# Altium PCB CFD_V1.03.PcbDoc (part 6 of 10) (continued)
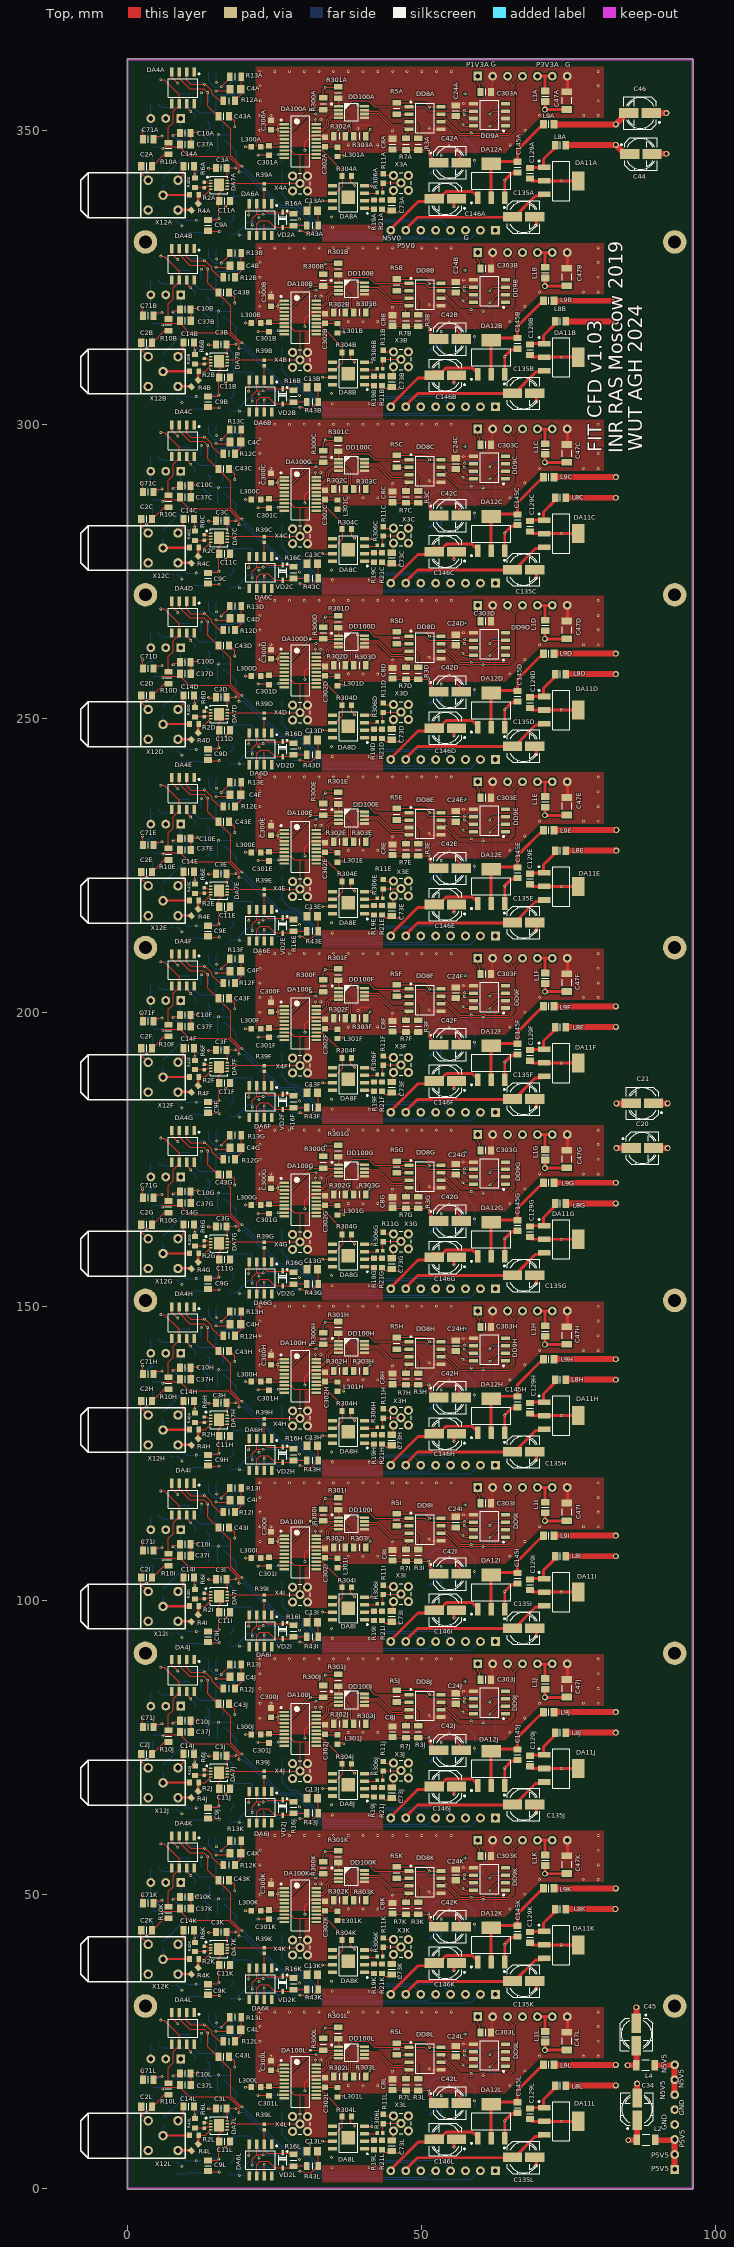
[diagram p0: Top view]
## Nets (pads, with @x,y where several pads share a name; then routed paths per layer and width w, separated by ;. In a path a pad name is that pad's centre, name@x,y a point inside that pad or via, vN(x,y) a via of type N, cw(c..) or ccw(c..) an arc to the next point about the centre after c; other vN are vias at no path point) (continued)
  Top w1: C45.1@86.5,28.429 v2(86.5,30.8) ; C34.2@86.6,15.5 v2(86.6,17.8) ; C44.2@89.3,346 v2(91.6,346) ; C46.1@89.3,352.9 v2(91.6,352.9) ; C20.2@89.6,176.9 v2(91.8,176.9) ; C21.1@89.6,184.5 v2(91.8,184.5)
  Bot w0.2: C41L.1@9.8,4.8 9.85,4.85 10,4.7 v1(11.63,4.7) 12.35,4.7 DA1L.4@12.5,4.85 ; C41K.1@9.8,34.8 9.85,34.85 10,34.7 v1(11.63,34.7) 12.35,34.7 DA1K.4@12.5,34.85 ; C41J.1@9.8,64.8 9.85,64.85 10,64.7 v1(11.63,64.7) 12.35,64.7 DA1J.4@12.5,64.85 ; C41I.1@9.8,94.8 9.85,94.85 10,94.7 v1(11.63,94.7) 12.35,94.7 DA1I.4@12.5,94.85 ; C41H.1@9.8,124.8 9.85,124.85 10,124.7 v1(11.63,124.7) 12.35,124.7 DA1H.4@12.5,124.85 ; C41G.1@9.8,154.8 9.85,154.85 10,154.7 v1(11.63,154.7) 12.35,154.7 DA1G.4@12.5,154.85 ; C41F.1@9.8,184.8 9.85,184.85 10,184.7 v1(11.63,184.7) 12.35,184.7 DA1F.4@12.5,184.85 ; C41E.1@9.8,214.8 9.85,214.85 10,214.7 v1(11.63,214.7) 12.35,214.7 DA1E.4@12.5,214.85 ; C41D.1@9.8,244.8 9.85,244.85 10,244.7 v1(11.63,244.7) 12.35,244.7 DA1D.4@12.5,244.85 ; C41C.1@9.8,274.8 9.85,274.85 10,274.7 v1(11.63,274.7) 12.35,274.7 DA1C.4@12.5,274.85 ; C41B.1@9.8,304.8 9.85,304.85 10,304.7 v1(11.63,304.7) 12.35,304.7 DA1B.4@12.5,304.85 ; C41A.1@9.8,334.8 9.85,334.85 10,334.7 v1(11.63,334.7) 12.35,334.7 DA1A.4@12.5,334.85 ; DA3L.2@13.95,19.25 v1(15.4,19.25) ; DA3K.2@13.95,49.25 v1(15.4,49.25) ; DA3J.2@13.95,79.25 v1(15.4,79.25) ; DA3I.2@13.95,109.25 v1(15.4,109.25) ; DA3H.2@13.95,139.25 v1(15.4,139.25) ; DA3G.2@13.95,169.25 v1(15.4,169.25) ; DA3F.2@13.95,199.25 v1(15.4,199.25) ; DA3E.2@13.95,229.25 v1(15.4,229.25) ; DA3D.2@13.95,259.25 v1(15.4,259.25) ; DA3C.2@13.95,289.25 v1(15.4,289.25) ; DA3B.2@13.95,319.25 v1(15.4,319.25) ; DA3A.2@13.95,349.25 v1(15.4,349.25) ; DA1L.1@14.4,2.6 14.6,2.8 v1(15.55,2.8) ; DA1K.1@14.4,32.6 14.6,32.8 v1(15.55,32.8) ; DA1J.1@14.4,62.6 14.6,62.8 v1(15.55,62.8) ; DA1I.1@14.4,92.6 14.6,92.8 v1(15.55,92.8) ; DA1H.1@14.4,122.6 14.6,122.8 v1(15.55,122.8) ; DA1G.1@14.4,152.6 14.6,152.8 v1(15.55,152.8) ; DA1F.1@14.4,182.6 14.6,182.8 v1(15.55,182.8) ; DA1E.1@14.4,212.6 14.6,212.8 v1(15.55,212.8) ; DA1D.1@14.4,242.6 14.6,242.8 v1(15.55,242.8) ; DA1C.1@14.4,272.6 14.6,272.8 v1(15.55,272.8) ; DA1B.1@14.4,302.6 14.6,302.8 v1(15.55,302.8) ; DA1A.1@14.4,332.6 14.6,332.8 v1(15.55,332.8) ; C1L.1@15.48,16.5 15.325,16.655 15.325,19.175 v1(15.4,19.25) ; C1K.1@15.48,46.5 15.325,46.655 15.325,49.175 v1(15.4,49.25) ; C1J.1@15.48,76.5 15.325,76.655 15.325,79.175 v1(15.4,79.25) ; C1I.1@15.48,106.5 15.325,106.655 15.325,109.175 v1(15.4,109.25) ; C1H.1@15.48,136.5 15.325,136.655 15.325,139.175 v1(15.4,139.25) ; C1G.1@15.48,166.5 15.325,166.655 15.325,169.175 v1(15.4,169.25) ; C1F.1@15.48,196.5 15.325,196.655 15.325,199.175 v1(15.4,199.25) ; C1E.1@15.48,226.5 15.325,226.655 15.325,229.175 v1(15.4,229.25) ; C1D.1@15.48,256.5 15.325,256.655 15.325,259.175 v1(15.4,259.25) ; C1C.1@15.48,286.5 15.325,286.655 15.325,289.175 v1(15.4,289.25) ; C1B.1@15.48,316.5 15.325,316.655 15.325,319.175 v1(15.4,319.25) ; C1A.1@15.48,346.5 15.325,346.655 15.325,349.175 v1(15.4,349.25) ; C7L.1@17.73,19.15 17.63,19.25 v1(15.4,19.25) ; C7K.1@17.73,49.15 17.63,49.25 v1(15.4,49.25) ; C7J.1@17.73,79.15 17.63,79.25 v1(15.4,79.25) ; C7I.1@17.73,109.15 17.63,109.25 v1(15.4,109.25) ; C7H.1@17.73,139.15 17.63,139.25 v1(15.4,139.25) ; C7G.1@17.73,169.15 17.63,169.25 v1(15.4,169.25) ; C7F.1@17.73,199.15 17.63,199.25 v1(15.4,199.25) ; C7E.1@17.73,229.15 17.63,229.25 v1(15.4,229.25) ; C7D.1@17.73,259.15 17.63,259.25 v1(15.4,259.25) ; C7C.1@17.73,289.15 17.63,289.25 v1(15.4,289.25) ; C7B.1@17.73,319.15 17.63,319.25 v1(15.4,319.25) ; C7A.1@17.73,349.15 17.63,349.25 v1(15.4,349.25) ; v1(18.2,20.6) C6L.1@18.2,22.2 ; v1(18.2,50.6) C6K.1@18.2,52.2 ; v1(18.2,80.6) C6J.1@18.2,82.2 ; v1(18.2,110.6) C6I.1@18.2,112.2 ; v1(18.2,140.6) C6H.1@18.2,142.2 ; v1(18.2,170.6) C6G.1@18.2,172.2 ; v1(18.2,200.6) C6F.1@18.2,202.2 ; v1(18.2,230.6) C6E.1@18.2,232.2 ; v1(18.2,260.6) C6D.1@18.2,262.2 ; v1(18.2,290.6) C6C.1@18.2,292.2 ; v1(18.2,320.6) C6B.1@18.2,322.2 ; v1(18.2,350.6) C6A.1@18.2,352.2 ; v1(22.13,15.8) 22.18,15.85 23.13,15.85 C403L.1@23.18,15.9 ; v1(22.13,45.8) 22.18,45.85 23.13,45.85 C403K.1@23.18,45.9 ; v1(22.13,75.8) 22.18,75.85 23.13,75.85 C403J.1@23.18,75.9 ; v1(22.13,105.8) 22.18,105.85 23.13,105.85 C403I.1@23.18,105.9 ; v1(22.13,135.8) 22.18,135.85 23.13,135.85 C403H.1@23.18,135.9 ; v1(22.13,165.8) 22.18,165.85 23.13,165.85 C403G.1@23.18,165.9 ; v1(22.13,195.8) 22.18,195.85 23.13,195.85 C403F.1@23.18,195.9 ; v1(22.13,225.8) 22.18,225.85 23.13,225.85 C403E.1@23.18,225.9 ; v1(22.13,255.8) 22.18,255.85 23.13,255.85 C403D.1@23.18,255.9 ; v1(22.13,285.8) 22.18,285.85 23.13,285.85 C403C.1@23.18,285.9 ; v1(22.13,315.8) 22.18,315.85 23.13,315.85 C403B.1@23.18,315.9 ; v1(22.13,345.8) 22.18,345.85 23.13,345.85 C403A.1@23.18,345.9 ; C12L.1@28.03,5.7 28.03,5.97 28.153,5.846 29.1,4.9 v1(29.2,4.9) ; C12K.1@28.03,35.7 28.03,35.97 28.153,35.846 29.1,34.9 v1(29.2,34.9) ; C12J.1@28.03,65.7 28.03,65.97 29.1,64.9 v1(29.2,64.9) ; C12I.1@28.03,95.7 28.03,95.97 28.153,95.846 29.1,94.9 v1(29.2,94.9) ; C12H.1@28.03,125.7 28.03,125.97 28.153,125.846 29.1,124.9 v1(29.2,124.9) ; C12G.1@28.03,155.7 28.03,155.97 28.153,155.846 29.1,154.9 v1(29.2,154.9) ; C12F.1@28.03,185.7 28.03,185.97 28.153,185.846 29.1,184.9 v1(29.2,184.9) ; C12E.1@28.03,215.7 28.03,215.97 28.153,215.846 29.1,214.9 v1(29.2,214.9) ; C12D.1@28.03,245.7 28.03,245.97 28.153,245.846 29.1,244.9 v1(29.2,244.9) ; C12C.1@28.03,275.7 28.03,275.97 28.153,275.846 29.1,274.9 v1(29.2,274.9) ; C12B.1@28.03,305.7 28.03,305.97 29.1,304.9 v1(29.2,304.9) ; C12A.1@28.03,335.7 28.03,335.97 28.153,335.847 29.1,334.9 v1(29.2,334.9) ; v1(28.62,261.736) C402D.1@29.37,261.736 ; v1(28.63,21.8) C402L.1@29.38,21.8 ; v1(28.63,51.8) C402K.1@29.38,51.8 ; v1(28.63,81.8) C402J.1@29.38,81.8 ; v1(28.63,111.8) C402I.1@29.38,111.8 ; v1(28.63,141.8) C402H.1@29.38,141.8 ; v1(28.63,171.8) C402G.1@29.38,171.8 ; v1(28.63,201.8) C402F.1@29.38,201.8 ; v1(28.63,231.8) C402E.1@29.38,231.8 ; v1@28.63,261.8 C402D.1@29.38,261.8 ; v1(28.63,291.8) C402C.1@29.38,291.8 ; v1(28.63,321.8) C402B.1@29.38,321.8 ; v1(28.63,351.8) C402A.1@29.38,351.8 ; v1(32.82,261.736) C401D.1@33.92,261.736 ; v1(32.83,21.8) C401L.1@33.93,21.8 ; v1(32.83,51.8) C401K.1@33.93,51.8 ; v1(32.83,81.8) C401J.1@33.93,81.8 ; v1(32.83,111.8) C401I.1@33.93,111.8 ; v1(32.83,141.8) C401H.1@33.93,141.8 ; v1(32.83,171.8) C401G.1@33.93,171.8 ; v1(32.83,201.8) C401F.1@33.93,201.8 ; v1(32.83,231.8) C401E.1@33.93,231.8 ; v1(32.83,291.8) C401C.1@33.93,291.8 ; v1(32.83,321.8) C401B.1@33.93,321.8 ; v1(32.83,351.8) C401A.1@33.93,351.8 ; C400D.1@38.932,261.548 38.62,261.236 38.75,261.236 39.12,260.866 v1(39.12,260.236) ; C400L.1@38.942,21.612 38.63,21.3 38.76,21.3 39.13,20.93 v1(39.13,20.3) ; C400K.1@38.942,51.612 38.63,51.3 38.76,51.3 39.13,50.93 v1(39.13,50.3) ; C400J.1@38.942,81.612 38.63,81.3 38.76,81.3 39.13,80.93 v1(39.13,80.3) ; C400I.1@38.942,111.612 38.63,111.3 38.76,111.3 39.13,110.93 v1(39.13,110.3) ; C400H.1@38.942,141.612 38.63,141.3 38.76,141.3 39.13,140.93 v1(39.13,140.3) ; C400G.1@38.942,171.612 38.63,171.3 38.76,171.3 39.13,170.93 v1(39.13,170.3) ; C400F.1@38.942,201.612 38.63,201.3 38.76,201.3 39.13,200.93 v1(39.13,200.3) ; C400E.1@38.942,231.612 38.63,231.3 38.76,231.3 39.13,230.93 v1(39.13,230.3) ; C400C.1@38.942,291.612 38.63,291.3 38.76,291.3 39.13,290.93 v1(39.13,290.3) ; C400B.1@38.942,321.612 38.63,321.3 38.76,321.3 39.13,320.93 v1(39.13,320.3) ; C400A.1@38.942,351.612 38.63,351.3 38.76,351.3 39.13,350.93 v1(39.13,350.3) ; C26L.1@49.715,21.286 50.315,21.286 v1(51.215,20.386) ; C26K.1@49.715,51.286 50.315,51.286 v1(51.215,50.386) ; C26J.1@49.715,81.286 50.315,81.286 v1(51.215,80.386) ; C26I.1@49.715,111.286 50.315,111.286 v1(51.215,110.386) ; C26H.1@49.715,141.286 50.315,141.286 v1(51.215,140.386) ; C26G.1@49.715,171.286 50.315,171.286 v1(51.215,170.386) ; C26F.1@49.715,201.286 50.315,201.286 v1(51.215,200.386) ; C26E.1@49.715,231.286 50.315,231.286 v1(51.215,230.386) ; C26D.1@49.715,261.286 50.315,261.286 v1(51.215,260.386) ; C26C.1@49.715,291.286 50.315,291.286 v1(51.215,290.386) ; C26B.1@49.715,321.286 50.315,321.286 v1(51.215,320.386) ; C26A.1@49.715,351.286 50.315,351.286 v1(51.215,350.386)
  Bot w0.25: DA13L.3@54.574,13.8 DA13L.2@55.844,13.8 ; DA13K.3@54.574,43.8 DA13K.2@55.844,43.8 ; DA13J.3@54.574,73.8 DA13J.2@55.844,73.8 ; DA13I.3@54.574,103.8 DA13I.2@55.844,103.8 ; DA13H.3@54.574,133.8 DA13H.2@55.844,133.8 ; DA13G.3@54.574,163.8 DA13G.2@55.844,163.8 ; DA13F.3@54.574,193.8 DA13F.2@55.844,193.8 ; DA13E.3@54.574,223.8 DA13E.2@55.844,223.8 ; DA13D.3@54.574,253.8 DA13D.2@55.844,253.8 ; DA13C.3@54.574,283.8 DA13C.2@55.844,283.8 ; DA13B.3@54.574,313.8 DA13B.2@55.844,313.8 ; DA13A.3@54.574,343.8 DA13A.2@55.844,343.8 ; v1(54.6,17.3) 54.6,18.774 54.574,18.8 DA13L.7@55.844,18.8 ; v1(54.6,47.3) 54.6,48.774 54.574,48.8 DA13K.7@55.844,48.8 ; v1(54.6,77.3) 54.6,78.774 54.574,78.8 DA13J.7@55.844,78.8 ; v1(54.6,107.3) 54.6,108.774 54.574,108.8 DA13I.7@55.844,108.8 ; v1(54.6,137.3) 54.6,138.774 54.574,138.8 DA13H.7@55.844,138.8 ; v1(54.6,167.3) 54.6,168.774 54.574,168.8 DA13G.7@55.844,168.8 ; v1(54.6,197.3) 54.6,198.774 54.574,198.8 DA13F.7@55.844,198.8 ; v1(54.6,227.3) 54.6,228.774 54.574,228.8 DA13E.7@55.844,228.8 ; v1(54.6,257.3) 54.6,258.774 54.574,258.8 DA13D.7@55.844,258.8 ; v1(54.6,287.3) 54.6,288.774 54.574,288.8 DA13C.7@55.844,288.8 ; v1(54.6,317.3) 54.6,318.774 54.574,318.8 DA13B.7@55.844,318.8 ; v1(54.6,347.3) 54.6,348.774 54.574,348.8 DA13A.7@55.844,348.8 ; C29L.1@55.304,11.6 55.844,12.14 DA13L.2@55.844,13.8 ; C29K.1@55.304,41.6 55.844,42.14 DA13K.2@55.844,43.8 ; C29J.1@55.304,71.6 55.844,72.14 DA13J.2@55.844,73.8 ; C29I.1@55.304,101.6 55.844,102.14 DA13I.2@55.844,103.8 ; C29H.1@55.304,131.6 55.844,132.14 DA13H.2@55.844,133.8 ; C29G.1@55.304,161.6 55.844,162.14 DA13G.2@55.844,163.8 ; C29F.1@55.304,191.6 55.844,192.14 DA13F.2@55.844,193.8 ; C29E.1@55.304,221.6 55.844,222.14 DA13E.2@55.844,223.8 ; C29D.1@55.304,251.6 55.844,252.14 DA13D.2@55.844,253.8 ; C29C.1@55.304,281.6 55.844,282.14 DA13C.2@55.844,283.8 ; C29B.1@55.304,311.6 55.844,312.14 DA13B.2@55.844,313.8 ; C29A.1@55.304,341.6 55.844,342.14 DA13A.2@55.844,343.8 ; v1(55.8,16.55) 55.8,13.844 DA13L.2@55.844,13.8 ; v1(55.8,46.55) 55.8,43.844 DA13K.2@55.844,43.8 ; v1(55.8,76.55) 55.8,73.844 DA13J.2@55.844,73.8 ; v1(55.8,106.55) 55.8,103.844 DA13I.2@55.844,103.8 ; v1(55.8,136.55) 55.8,133.844 DA13H.2@55.844,133.8 ; v1(55.8,166.55) 55.8,163.844 DA13G.2@55.844,163.8 ; v1(55.8,196.55) 55.8,193.844 DA13F.2@55.844,193.8 ; v1(55.8,226.55) 55.8,223.844 DA13E.2@55.844,223.8 ; v1(55.8,256.55) 55.8,253.844 DA13D.2@55.844,253.8 ; v1(55.8,286.55) 55.8,283.844 DA13C.2@55.844,283.8 ; v1(55.8,316.55) 55.8,313.844 DA13B.2@55.844,313.8 ; v1(55.8,346.55) 55.8,343.844 DA13A.2@55.844,343.8
  other v1: 34.78,3.5 41.07,3.5 34.63,5.22 37.5,17.5 40,17.5 42.5,17.5 65,17.5 22.5,20 67.5,20 22.5,22.5 70,22.5 77.5,22.5 80,22.5 22.5,25 80,25 22.5,27.5 80,27.5 22.5,30 25,30 27.5,30 30,30 32.5,30 35,30 37.5,30 40,30 42.5,30 45,30 47.5,30 50,30 52.5,30 55,30 80,30 34.78,33.5 41.07,33.5 34.63,35.22 37.5,47.5 40,47.5 42.5,47.5 65,47.5 22.5,50 67.5,50 22.5,52.5 70,52.5 77.5,52.5 80,52.5 22.5,55 80,55 22.5,57.5 80,57.5 22.5,60 25,60 27.5,60 30,60 32.5,60 35,60 37.5,60 40,60 42.5,60 45,60 47.5,60 50,60 52.5,60 55,60 80,60 34.78,63.5 41.07,63.5 34.63,65.22 37.5,77.5 40,77.5 42.5,77.5 65,77.5 22.5,80 67.5,80 22.5,82.5 70,82.5 77.5,82.5 80,82.5 22.5,85 80,85 22.5,87.5 80,87.5 22.5,90 25,90 27.5,90 30,90 32.5,90 35,90 37.5,90 40,90 42.5,90 45,90 47.5,90 50,90 52.5,90 55,90 80,90 34.78,93.5 41.07,93.5 34.63,95.22 37.5,107.5 40,107.5 42.5,107.5 65,107.5 22.5,110 67.5,110 22.5,112.5 70,112.5 77.5,112.5 80,112.5 22.5,115 80,115 22.5,117.5 80,117.5 22.5,120 25,120 27.5,120 30,120 32.5,120 35,120 37.5,120 40,120 42.5,120 45,120 47.5,120 50,120 52.5,120 55,120 80,120 34.78,123.5 41.07,123.5 34.63,125.22 37.5,137.5 40,137.5 42.5,137.5 65,137.5 22.5,140 67.5,140 22.5,142.5 70,142.5 77.5,142.5 80,142.5 22.5,145 80,145 22.5,147.5 80,147.5 22.5,150 25,150 27.5,150 30,150 32.5,150 35,150 37.5,150 40,150 42.5,150 45,150 47.5,150 50,150 52.5,150 55,150 80,150 34.78,153.5 41.07,153.5 34.63,155.22 37.5,167.5 40,167.5 42.5,167.5 65,167.5 22.5,170 67.5,170 22.5,172.5 70,172.5 77.5,172.5 80,172.5 22.5,175 80,175 22.5,177.5 80,177.5 22.5,180 25,180 27.5,180 30,180 32.5,180 35,180 37.5,180 40,180 42.5,180 45,180 47.5,180 50,180 52.5,180 55,180 80,180 34.78,183.5 41.07,183.5 34.63,185.22 37.5,197.5 40,197.5 42.5,197.5 65,197.5 22.5,200 67.5,200 22.5,202.5 70,202.5 77.5,202.5 80,202.5 22.5,205 80,205 22.5,207.5 80,207.5 22.5,210 25,210 27.5,210 30,210 32.5,210 35,210 37.5,210 40,210 42.5,210 45,210 47.5,210 50,210 52.5,210 55,210 80,210 34.78,213.5 41.07,213.5 34.63,215.22 37.5,227.5 40,227.5 42.5,227.5 65,227.5 22.5,230 67.5,230 22.5,232.5 70,232.5 77.5,232.5 80,232.5 22.5,235 80,235 22.5,237.5 80,237.5 22.5,240 25,240 27.5,240 30,240 32.5,240 35,240 37.5,240 40,240 42.5,240 45,240 47.5,240 50,240 52.5,240 55,240 80,240 34.78,243.5 41.07,243.5 34.63,245.22 30.13,256.6 37.5,257.5 40,257.5 42.5,257.5 65,257.5 22.5,260 67.5,260 22.5,262.5 70,262.5 77.5,262.5 80,262.5 22.5,265 80,265 22.5,267.5 80,267.5 22.5,270 25,270 27.5,270 30,270 32.5,270 35,270 37.5,270 40,270 42.5,270 45,270 47.5,270 50,270 52.5,270 55,270 80,270 34.78,273.5 41.07,273.5 34.63,275.22 37.5,287.5 40,287.5 42.5,287.5 65,287.5 22.5,290 67.5,290 22.5,292.5 70,292.5 77.5,292.5 80,292.5 22.5,295 80,295 22.5,297.5 80,297.5 22.5,300 25,300 27.5,300 30,300 32.5,300 35,300 37.5,300 40,300 42.5,300 45,300 47.5,300 50,300 52.5,300 55,300 80,300 34.78,303.5 41.07,303.5 34.63,305.22 37.5,317.5 40,317.5 42.5,317.5 65,317.5 22.5,320 67.5,320 22.5,322.5 70,322.5 77.5,322.5 80,322.5 22.5,325 80,325 22.5,327.5 80,327.5 22.5,330 25,330 27.5,330 30,330 32.5,330 35,330 37.5,330 40,330 42.5,330 45,330 47.5,330 50,330 52.5,330 55,330 80,330 34.81,333.5 41.1,333.5 34.63,335.22 37.5,347.5 40,347.5 42.5,347.5 65.03,347.5 22.5,350 67.53,350 22.5,352.5 70.03,352.5 77.53,352.5 80,352.5 22.5,355 80,355 22.5,357.5 80,357.5 22.5,360 25,360 27.5,360 30,360 32.5,360 35,360 37.5,360 40,360 42.5,360 45,360 47.5,360 50,360 52.5,360 55,360 80,360
N3V0A: C9A.2 C11A.2 DA1A.5 DA7A.5 DA7A.9 | length 9
  Top w0.2: C9A.2@13.65,334.8 15.3,334.8 v1(15.5,335) 15.5,337.9 15.5,339.2 16.25,339.95 DA7A.5@16.9,339.95
  Bot w0.2: DA1A.5@14.4,334.85 14.55,335 v1(15.5,335)
N3V0B: C9B.2 C11B.2 DA1B.5 DA7B.5 DA7B.9 | length 9
  Top w0.2: C9B.2@13.65,304.8 15.3,304.8 v1(15.5,305) 15.5,307.9 15.5,309.2 16.25,309.95 DA7B.5@16.9,309.95
  Bot w0.2: DA1B.5@14.4,304.85 14.55,305 v1(15.5,305)
N3V0C: C9C.2 C11C.2 DA1C.5 DA7C.5 DA7C.9 | length 9
  Top w0.2: C9C.2@13.65,274.8 15.3,274.8 v1(15.5,275) 15.5,277.9 15.5,279.2 16.25,279.95 DA7C.5@16.9,279.95
  Bot w0.2: DA1C.5@14.4,274.85 14.55,275 v1(15.5,275)
N3V0D: C9D.2 C11D.2 DA1D.5 DA7D.5 DA7D.9 | length 9
  Top w0.2: C9D.2@13.65,244.8 15.3,244.8 v1(15.5,245) 15.5,247.9 15.5,249.2 16.25,249.95 DA7D.5@16.9,249.95
  Bot w0.2: DA1D.5@14.4,244.85 14.55,245 v1(15.5,245)
N3V0E: C9E.2 C11E.2 DA1E.5 DA7E.5 DA7E.9 | length 9
  Top w0.2: C9E.2@13.65,214.8 15.3,214.8 v1(15.5,215) 15.5,217.9 15.5,219.2 16.25,219.95 DA7E.5@16.9,219.95
  Bot w0.2: DA1E.5@14.4,214.85 14.55,215 v1(15.5,215)
N3V0F: C9F.2 C11F.2 DA1F.5 DA7F.5 DA7F.9 | length 9
  Top w0.2: C9F.2@13.65,184.8 15.3,184.8 v1(15.5,185) 15.5,187.9 15.5,189.2 16.25,189.95 DA7F.5@16.9,189.95
  Bot w0.2: DA1F.5@14.4,184.85 14.55,185 v1(15.5,185)
N3V0G: C9G.2 C11G.2 DA1G.5 DA7G.5 DA7G.9 | length 9
  Top w0.2: C9G.2@13.65,154.8 15.3,154.8 v1(15.5,155) 15.5,157.9 15.5,159.2 16.25,159.95 DA7G.5@16.9,159.95
  Bot w0.2: DA1G.5@14.4,154.85 14.55,155 v1(15.5,155)
N3V0H: C9H.2 C11H.2 DA1H.5 DA7H.5 DA7H.9 | length 9
  Top w0.2: C9H.2@13.65,124.8 15.3,124.8 v1(15.5,125) 15.5,127.9 15.5,129.2 16.25,129.95 DA7H.5@16.9,129.95
  Bot w0.2: DA1H.5@14.4,124.85 14.55,125 v1(15.5,125)
N3V0I: C9I.2 C11I.2 DA1I.5 DA7I.5 DA7I.9 | length 9
  Top w0.2: C9I.2@13.65,94.8 15.3,94.8 v1(15.5,95) 15.5,97.9 15.5,99.2 16.25,99.95 DA7I.5@16.9,99.95
  Bot w0.2: DA1I.5@14.4,94.85 14.55,95 v1(15.5,95)
N3V0J: C9J.2 C11J.2 DA1J.5 DA7J.5 DA7J.9 | length 9
  Top w0.2: C9J.2@13.65,64.8 15.3,64.8 v1(15.5,65) 15.5,67.9 15.5,69.2 16.25,69.95 DA7J.5@16.9,69.95
  Bot w0.2: DA1J.5@14.4,64.85 14.55,65 v1(15.5,65)
N3V0K: C9K.2 C11K.2 DA1K.5 DA7K.5 DA7K.9 | length 9
  Top w0.2: C9K.2@13.65,34.8 15.3,34.8 v1(15.5,35) 15.5,37.9 15.5,39.2 16.25,39.95 DA7K.5@16.9,39.95
  Bot w0.2: DA1K.5@14.4,34.85 14.55,35 v1(15.5,35)
N3V0L: C9L.2 C11L.2 DA1L.5 DA7L.5 DA7L.9 | length 9
  Top w0.2: C9L.2@13.65,4.8 15.3,4.8 v1(15.5,5) 15.5,7.9 15.5,9.2 16.25,9.95 DA7L.5@16.9,9.95
  Bot w0.2: DA1L.5@14.4,4.85 14.55,5 v1(15.5,5)
N5V0A: C10A.2 C38A.2 C146A.2 DA2A.6 DA4A.4 DA5A.4 DA6A.4 DA8A.4 DA12A.1 DA20A.4 L300A.1 R1A.1 X5A.8 | length 34.1
  Top w0.2: DA4A.4@7.46,359.7 7.46,358.995 8.455,358 v1(8.5,358) ; v1(7.7,349.1) 7.776,349.1 8,349.324 8.43,349.324 8.8,349.694 C10A.2@8.8,349.7 ; v1(20.03,347.2) 21.18,347.2 21.18,347.297 L300A.1@20.926,347.551 ; v1(20.5,335.6) 20.5,335.676 20.66,335.836 DA6A.4@20.66,337.3 ; DA8A.4@40,340.54 40.03,340.54 v1(41.5,340.54)
  Top w0.5: X5A.8@44.77,333.25 49.37,337.85 50.65,337.85 51.2,338.4 51.75,338.95 53.519,338.95 54.169,339.6 58.55,339.6 59.5,338.65 DA12A.1@59.5,338.4
  Bot w0.2: R1A.1@7.43,334.5 R1A.1@7.73,334.5 ; v1(7.7,349.1) 7.745,349.1 8.405,348.44 DA2A.6@9.2,348.44 ; R1A.1@8.13,334.5 8.43,334.5 v1(9.23,333.7) ; DA5A.4@12.53,354.7 v1(12.53,356.37) ; v1(19,332.2) 19.79,332.2 DA20A.4@19.9,332.31 ; C38A.2@41.33,342.1 41.5,341.93 v1(41.5,340.54)
N5V0B: C10B.2 C38B.2 C146B.2 DA2B.6 DA4B.4 DA5B.4 DA6B.4 DA8B.4 DA12B.1 DA20B.4 L300B.1 R1B.1 X5B.8 | length 34.1
  Top w0.2: DA4B.4@7.46,329.7 7.46,328.995 8.455,328 v1(8.5,328) ; v1(7.7,319.1) 7.776,319.1 8,319.324 8.43,319.324 8.8,319.694 C10B.2@8.8,319.7 ; v1(20.03,317.2) 21.18,317.2 21.18,317.297 L300B.1@20.926,317.551 ; v1(20.5,305.6) 20.5,305.676 20.66,305.836 DA6B.4@20.66,307.3 ; DA8B.4@40,310.54 40.03,310.54 v1(41.5,310.54)
  Top w0.5: X5B.8@44.77,303.25 49.37,307.85 50.65,307.85 51.2,308.4 51.75,308.95 53.519,308.95 54.169,309.6 58.55,309.6 59.5,308.65 DA12B.1@59.5,308.4
  Bot w0.2: R1B.1@7.43,304.5 R1B.1@7.73,304.5 ; v1(7.7,319.1) 7.745,319.1 8.405,318.44 DA2B.6@9.2,318.44 ; R1B.1@8.13,304.5 8.43,304.5 v1(9.23,303.7) ; DA5B.4@12.53,324.7 v1(12.53,326.37) ; v1(19,302.2) 19.79,302.2 DA20B.4@19.9,302.31 ; C38B.2@41.33,312.1 41.5,311.93 v1(41.5,310.54)
N5V0C: C10C.2 C38C.2 C146C.2 DA2C.6 DA4C.4 DA5C.4 DA6C.4 DA8C.4 DA12C.1 DA20C.4 L300C.1 R1C.1 X5C.8 | length 34.1
  Top w0.2: DA4C.4@7.46,299.7 7.46,298.995 8.455,298 v1(8.5,298) ; v1(7.7,289.1) 7.776,289.1 8,289.324 8.43,289.324 8.8,289.694 C10C.2@8.8,289.7 ; v1(20.03,287.2) 21.18,287.2 21.18,287.297 L300C.1@20.926,287.551 ; v1(20.5,275.6) 20.5,275.676 20.66,275.836 DA6C.4@20.66,277.3 ; DA8C.4@40,280.54 40.03,280.54 v1(41.5,280.54)
  Top w0.5: X5C.8@44.77,273.25 49.37,277.85 50.65,277.85 51.2,278.4 51.75,278.95 53.519,278.95 54.169,279.6 58.55,279.6 59.5,278.65 DA12C.1@59.5,278.4
  Bot w0.2: R1C.1@7.43,274.5 R1C.1@7.73,274.5 ; v1(7.7,289.1) 7.745,289.1 8.405,288.44 DA2C.6@9.2,288.44 ; R1C.1@8.13,274.5 8.43,274.5 v1(9.23,273.7) ; DA5C.4@12.53,294.7 v1(12.53,296.37) ; v1(19,272.2) 19.79,272.2 DA20C.4@19.9,272.31 ; C38C.2@41.33,282.1 41.5,281.93 v1(41.5,280.54)
N5V0D: C10D.2 C38D.2 C146D.2 DA2D.6 DA4D.4 DA5D.4 DA6D.4 DA8D.4 DA12D.1 DA20D.4 L300D.1 R1D.1 X5D.8 | length 34.1
  Top w0.2: DA4D.4@7.46,269.7 7.46,268.995 8.455,268 v1(8.5,268) ; v1(7.7,259.1) 7.776,259.1 8,259.324 8.43,259.324 8.8,259.694 C10D.2@8.8,259.7 ; v1(20.03,257.2) 21.18,257.2 21.18,257.297 L300D.1@20.926,257.551 ; v1(20.5,245.6) 20.5,245.676 20.66,245.836 DA6D.4@20.66,247.3 ; DA8D.4@40,250.54 40.03,250.54 v1(41.5,250.54)
  Top w0.5: X5D.8@44.77,243.25 49.37,247.85 50.65,247.85 51.2,248.4 51.75,248.95 53.519,248.95 54.169,249.6 58.55,249.6 59.5,248.65 DA12D.1@59.5,248.4
  Bot w0.2: R1D.1@7.43,244.5 R1D.1@7.73,244.5 ; v1(7.7,259.1) 7.745,259.1 8.405,258.44 DA2D.6@9.2,258.44 ; R1D.1@8.13,244.5 8.43,244.5 v1(9.23,243.7) ; DA5D.4@12.53,264.7 v1(12.53,266.37) ; v1(19,242.2) 19.79,242.2 DA20D.4@19.9,242.31 ; C38D.2@41.33,252.1 41.5,251.93 v1(41.5,250.54)
N5V0E: C10E.2 C38E.2 C146E.2 DA2E.6 DA4E.4 DA5E.4 DA6E.4 DA8E.4 DA12E.1 DA20E.4 L300E.1 R1E.1 X5E.8 | length 34.1
  Top w0.2: DA4E.4@7.46,239.7 7.46,238.995 8.455,238 v1(8.5,238) ; v1(7.7,229.1) 7.776,229.1 8,229.324 8.43,229.324 8.8,229.694 C10E.2@8.8,229.7 ; v1(20.03,227.2) 21.18,227.2 21.18,227.297 L300E.1@20.926,227.551 ; v1(20.5,215.6) 20.5,215.676 20.66,215.836 DA6E.4@20.66,217.3 ; DA8E.4@40,220.54 40.03,220.54 v1(41.5,220.54)
  Top w0.5: X5E.8@44.77,213.25 49.37,217.85 50.65,217.85 51.2,218.4 51.75,218.95 53.519,218.95 54.169,219.6 58.55,219.6 59.5,218.65 DA12E.1@59.5,218.4
  Bot w0.2: R1E.1@7.43,214.5 R1E.1@7.73,214.5 ; v1(7.7,229.1) 7.745,229.1 8.405,228.44 DA2E.6@9.2,228.44 ; R1E.1@8.13,214.5 8.43,214.5 v1(9.23,213.7) ; DA5E.4@12.53,234.7 v1(12.53,236.37) ; v1(19,212.2) 19.79,212.2 DA20E.4@19.9,212.31 ; C38E.2@41.33,222.1 41.5,221.93 v1(41.5,220.54)
N5V0F: C10F.2 C38F.2 C146F.2 DA2F.6 DA4F.4 DA5F.4 DA6F.4 DA8F.4 DA12F.1 DA20F.4 L300F.1 R1F.1 X5F.8 | length 34.1
  Top w0.2: DA4F.4@7.46,209.7 7.46,208.995 8.455,208 v1(8.5,208) ; v1(7.7,199.1) 7.776,199.1 8,199.324 8.43,199.324 8.8,199.694 C10F.2@8.8,199.7 ; v1(20.03,197.2) 21.18,197.2 21.18,197.297 L300F.1@20.926,197.551 ; v1(20.5,185.6) 20.5,185.676 20.66,185.836 DA6F.4@20.66,187.3 ; DA8F.4@40,190.54 40.03,190.54 v1(41.5,190.54)
  Top w0.5: X5F.8@44.77,183.25 49.37,187.85 50.65,187.85 51.2,188.4 51.75,188.95 53.519,188.95 54.169,189.6 58.55,189.6 59.5,188.65 DA12F.1@59.5,188.4
  Bot w0.2: R1F.1@7.43,184.5 R1F.1@7.73,184.5 ; v1(7.7,199.1) 7.745,199.1 8.405,198.44 DA2F.6@9.2,198.44 ; R1F.1@8.13,184.5 8.43,184.5 v1(9.23,183.7) ; DA5F.4@12.53,204.7 v1(12.53,206.37) ; v1(19,182.2) 19.79,182.2 DA20F.4@19.9,182.31 ; C38F.2@41.33,192.1 41.5,191.93 v1(41.5,190.54)
N5V0G: C10G.2 C38G.2 C146G.2 DA2G.6 DA4G.4 DA5G.4 DA6G.4 DA8G.4 DA12G.1 DA20G.4 L300G.1 R1G.1 X5G.8 | length 34.1
  Top w0.2: DA4G.4@7.46,179.7 7.46,178.995 8.455,178 v1(8.5,178) ; v1(7.7,169.1) 7.776,169.1 8,169.324 8.43,169.324 8.8,169.694 C10G.2@8.8,169.7 ; v1(20.03,167.2) 21.18,167.2 21.18,167.297 L300G.1@20.926,167.551 ; v1(20.5,155.6) 20.5,155.676 20.66,155.836 DA6G.4@20.66,157.3 ; DA8G.4@40,160.54 40.03,160.54 v1(41.5,160.54)
  Top w0.5: X5G.8@44.77,153.25 49.37,157.85 50.65,157.85 51.2,158.4 51.75,158.95 53.519,158.95 54.169,159.6 58.55,159.6 59.5,158.65 DA12G.1@59.5,158.4
  Bot w0.2: R1G.1@7.43,154.5 R1G.1@7.73,154.5 ; v1(7.7,169.1) 7.745,169.1 8.405,168.44 DA2G.6@9.2,168.44 ; R1G.1@8.13,154.5 8.43,154.5 v1(9.23,153.7) ; DA5G.4@12.53,174.7 v1(12.53,176.37) ; v1(19,152.2) 19.79,152.2 DA20G.4@19.9,152.31 ; C38G.2@41.33,162.1 41.5,161.93 v1(41.5,160.54)
N5V0H: C10H.2 C38H.2 C146H.2 DA2H.6 DA4H.4 DA5H.4 DA6H.4 DA8H.4 DA12H.1 DA20H.4 L300H.1 R1H.1 X5H.8 | length 34.1
  Top w0.2: DA4H.4@7.46,149.7 7.46,148.995 8.455,148 v1(8.5,148) ; v1(7.7,139.1) 7.776,139.1 8,139.324 8.43,139.324 8.8,139.694 C10H.2@8.8,139.7 ; v1(20.03,137.2) 21.18,137.2 21.18,137.297 L300H.1@20.926,137.551 ; v1(20.5,125.6) 20.5,125.676 20.66,125.836 DA6H.4@20.66,127.3 ; DA8H.4@40,130.54 40.03,130.54 v1(41.5,130.54)
  Top w0.5: X5H.8@44.77,123.25 49.37,127.85 50.65,127.85 51.2,128.4 51.75,128.95 53.519,128.95 54.169,129.6 58.55,129.6 59.5,128.65 DA12H.1@59.5,128.4
  Bot w0.2: R1H.1@7.43,124.5 R1H.1@7.73,124.5 ; v1(7.7,139.1) 7.745,139.1 8.405,138.44 DA2H.6@9.2,138.44 ; R1H.1@8.13,124.5 8.43,124.5 v1(9.23,123.7) ; DA5H.4@12.53,144.7 v1(12.53,146.37) ; v1(19,122.2) 19.79,122.2 DA20H.4@19.9,122.31 ; C38H.2@41.33,132.1 41.5,131.93 v1(41.5,130.54)